# Altium PCB ESP32-1-PCB-Layout.PcbDoc
Units mil, origin at the board's own origin, x right, y up, seen from the top; angles counter-clockwise.
Board outline 3775 x 4000 mil, 2 copper layers (Top Layer, Bottom Layer), stack 61.811 mil thick; 34 components, 32 nets, 142 pads, 17 vias.
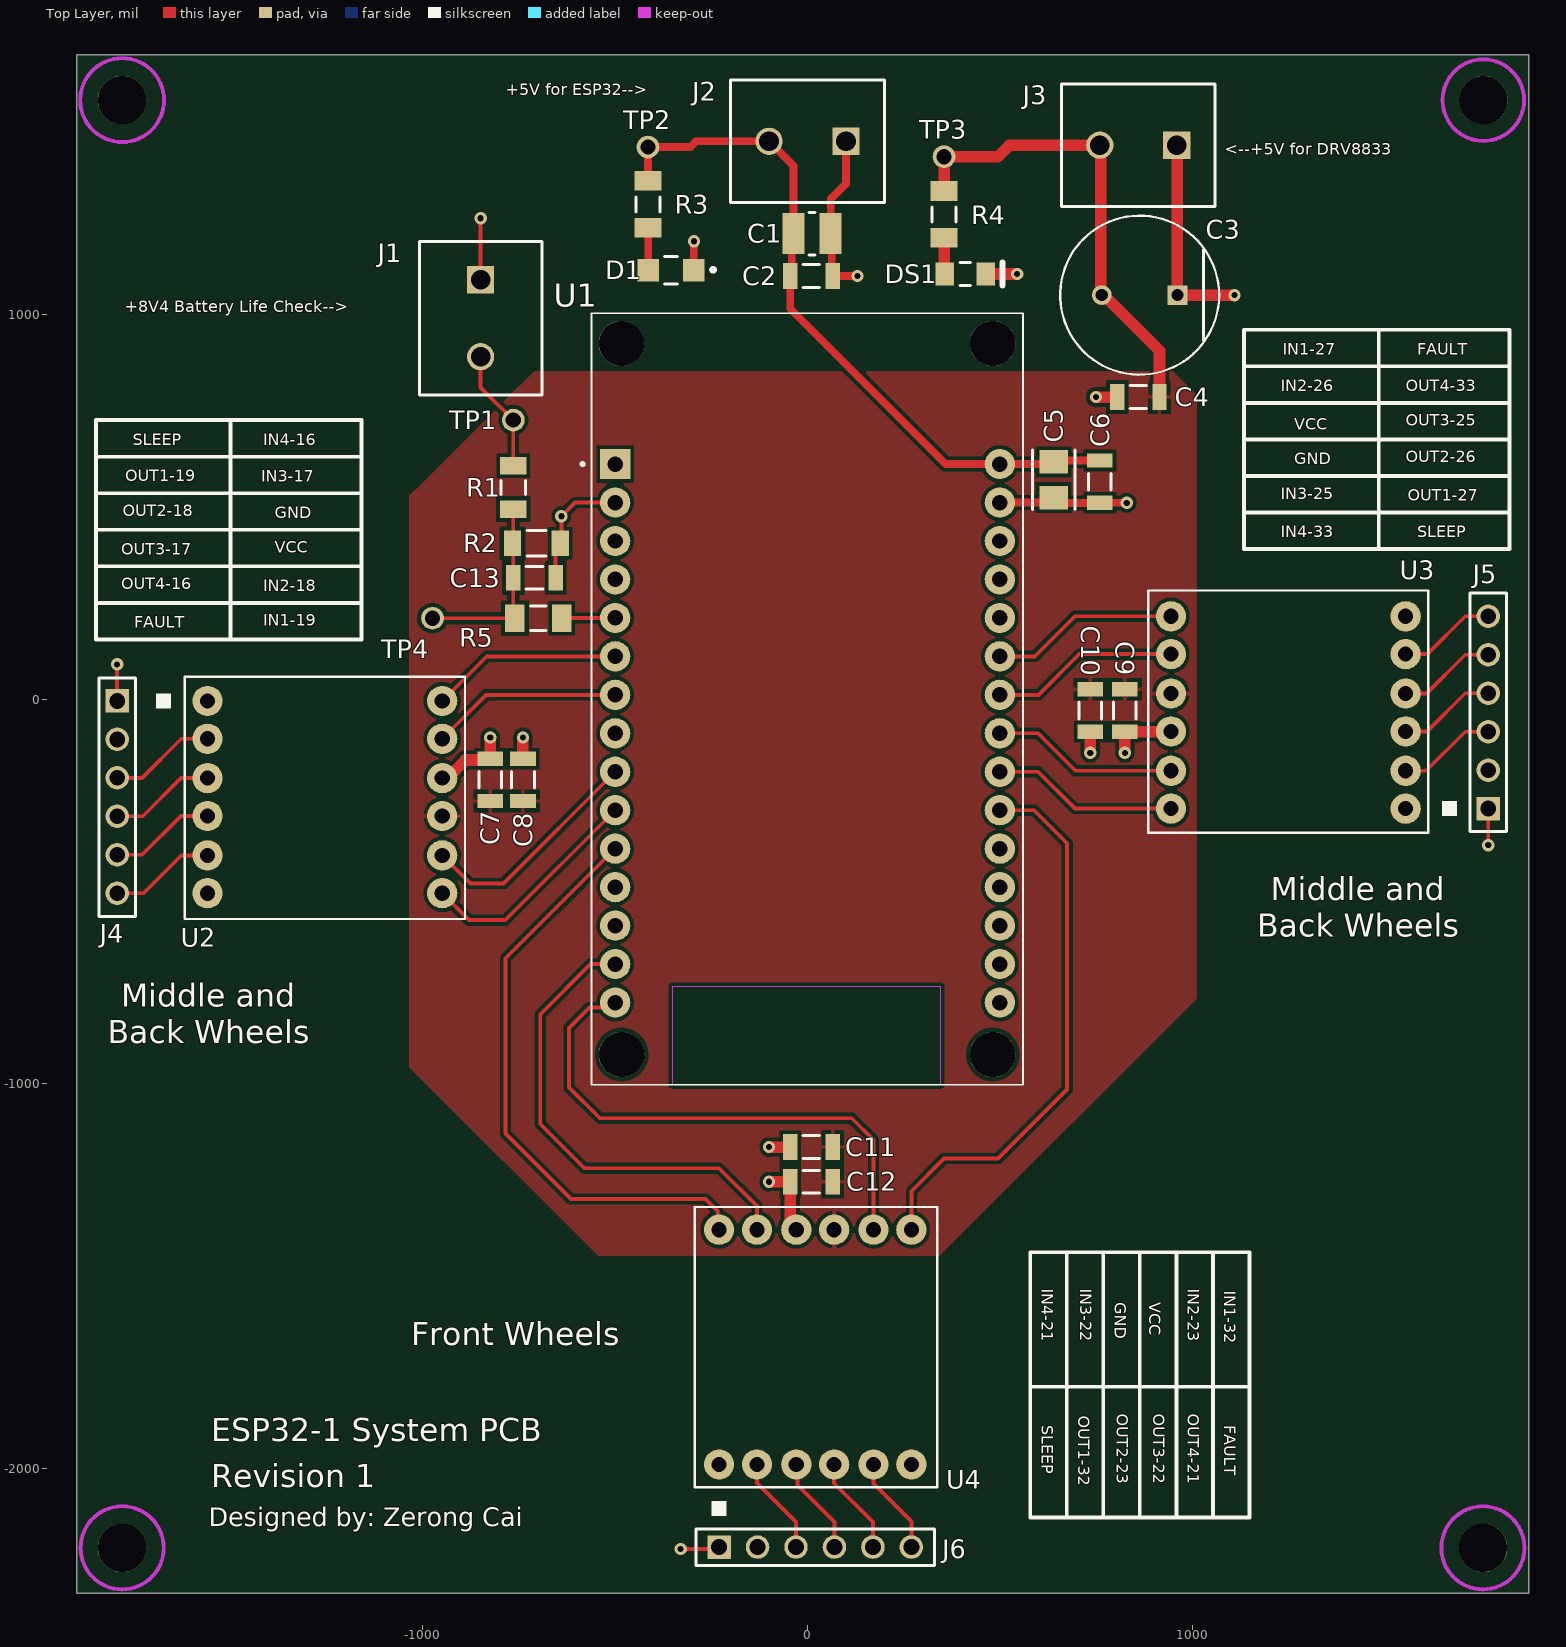
[diagram p0: Top Layer view]
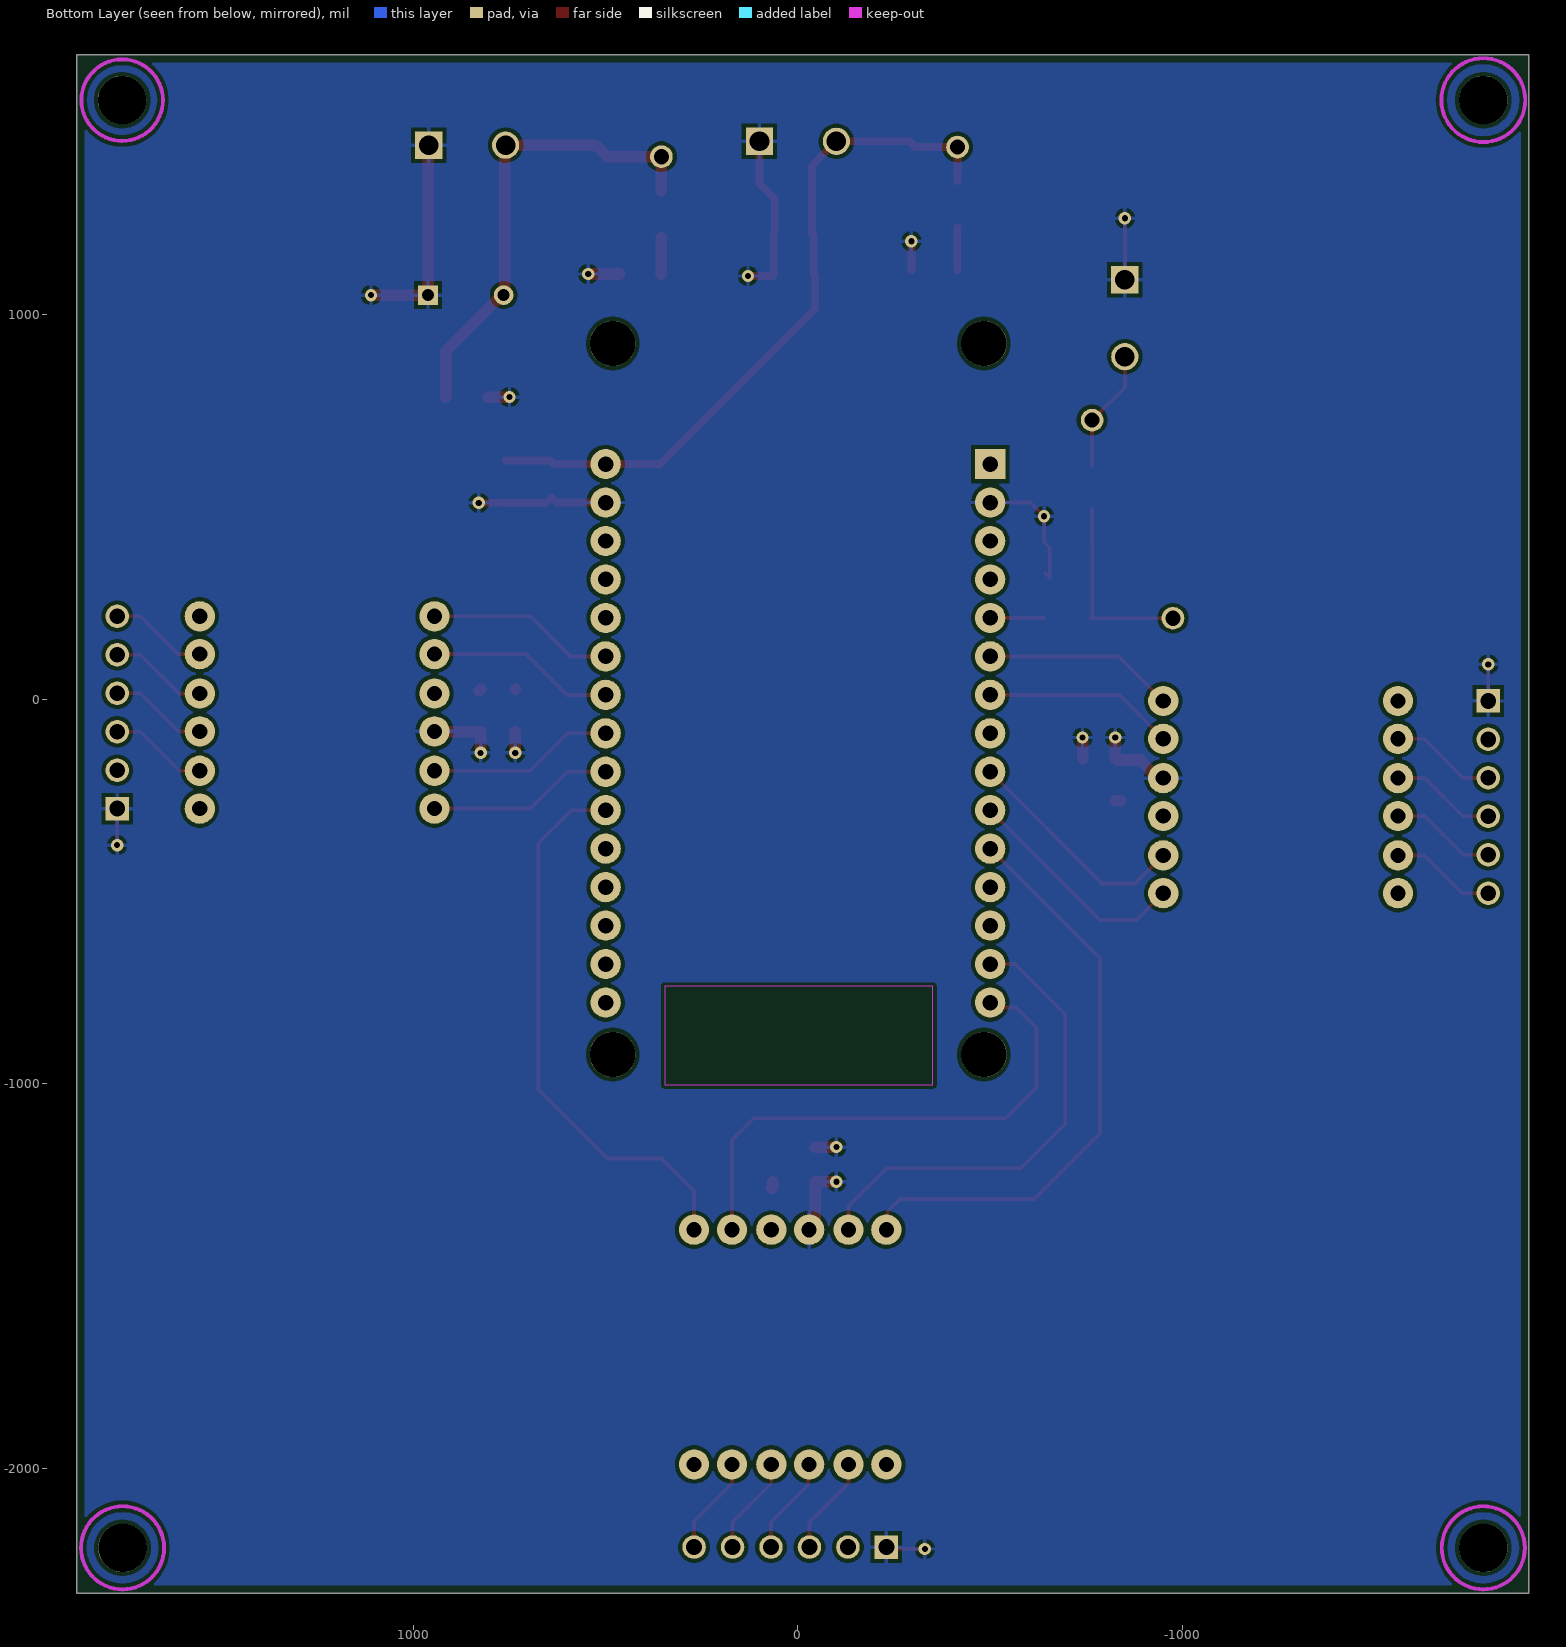
[diagram p1: Bottom Layer view, seen from below]

## Layer stack, top to bottom
Top Solder: solder mask 0.3937, Solder Resist, Dk 3.5
Top Layer: signal copper 1.378
Dielectric 1: dielectric 59.0551, FR-4, Dk 4.8
Bottom Layer: signal copper 1.378
Bottom Solder: solder mask 0.3937, Solder Resist, Dk 3.5

## Board outline
-1900,-2325 -1900,1675 1875,1675 1875,-2325

## Design rules (kind name [scope] priority, off if disabled: settings)
BoardOutlineClearance [All] p1: gap=20 ignorepadtopadclearanceinfootprint=FALSE except(0: Arc-SplitContinuation Track-SplitContinuation SMDPad-SplitContinuation THPad-SplitContinuation Via-SplitContinuation Fill-SplitContinuation Poly-SplitContinuation Region-SplitContinuation Text-SplitContinuation)
Clearance [All] p1: gap=10 ignorepadtopadclearanceinfootprint=FALSE except(0: Arc-Hole Track-Hole SMDPad-Hole THPad-Hole Via-Hole Fill-Hole Poly-Hole Region-Hole Text-Hole; 4: Arc-Arc Arc-Track Track-Track)
HoleSize [All] p1: absolutevalues=TRUE maxlimit=200 minlimit=1 maxpercent=80.000 minpercent=20.000
PolygonConnect [All] p1: connectstyle=Relief reliefconductorwidth=10 reliefentries=4 polygonreliefangle="90 Angle" airgapwidth=10
RoutingVias [All] p1: holewidth=12 width=24 viastyle="Through Hole" minholewidth=12 minwidth=24 maxholewidth=16 maxwidth=32
SilkToSolderMaskClearance [IsPad] p1: minsilkscreentomaskgap=5 clearancetoexposedcopper=TRUE
SolderMaskExpansion [All] p1: expansion=4 istentingtop=FALSE
Width [All] p1: maxlimit=100 minlimit=10 preferedwidth=10
28 further rules are at their usual default settings.

## Classes and differential pairs
component class Output-Connectors: J4 J5 J6
component class Input-Connectors: C1 C2 C3 C4 D1 DS1 J1 J2 J3 R1 R2 R3 R4 TP1 TP2 TP3
component class ESP32-1-System: C5 C6 C7 C8 C9 C10 C11 C12 C13 R5 U1 U3 U4

## Components (designator, comment, footprint, x,y, rotation, side; value= is the part's Value field where it differs from the comment)
C1 "47uF" FP-CL32-IPC_C 11.76,1210 r0 top
C2 "100nF" CAPC1206(3216)170_L 10,1100 r180 top
C3 "470u" FP-RAD-TH-D_10_0_5-L_12_5-MFG 863.43,1050 r180 top
C4 "100nF" CAPC1206(3216)170_L 860,785 r0 top
C5 "10uF" FP-GCJ31C-0_4-IPC_C 640,570 r270 top
C6 "100nF" CAPC1206(3216)170_L 760,564.88 r90 top
C7 "100nF" CAPC1206(3216)170_L -825,-210 r270 top
C8 "1uF" CAPC1206(3216)170_L -740,-210 r270 top
C9 "100nF" CAPC1206(3216)170_L 825,-29.88 r90 top
C10 "1uF" CAPC1206(3216)170_L 735,-30 r90 top
C11 "100nF" CAPC1206(3216)170_L 10,-1165 r0 top
C12 "1uF" CAPC1206(3216)170_L 10,-1255 r0 top
C13 "100nF" CAPC1206(3216)170_L -710,315 r180 top
D1 "598-8270-107F" FP-598-8270-107F-MFG -355,1115 r180 top
DS1 "SML-LX1206IC-TR" LUMX-SML-LX1206IC_V 410,1105 r0 top
J1 "1729128" PHOE-1729128-2_V -850,990 r270 top
J2 "1729128" PHOE-1729128-2_V 0,1450 r180 top
J3 "1729128" PHOE-1729128-2_V 860,1440 r180 top
J4 "SSW-106-02-T-S" SMTC-SSW-106-02-X-S -1795,-5 r270 top
J5 "SSW-106-02-T-S" SMTC-SSW-106-02-X-S 1770,-285 r90 top
J6 "SSW-106-02-T-S" SMTC-SSW-106-02-X-S -230,-2205 r0 top
R1 "180k" FP-CRCW1206-e3-IPC_B -765,550 r270 top
R2 "100k" FP-RP732B-MFG -705,405 r0 top value=100KΩ
R3 "1k" RESC3216X60X45ML10T20 -415,1286.02 r270 top
R4 "1k" RESC3216X60X45ML10T20 355,1260 r270 top
R5 "1k" RESC3216X60X45ML10T20 -700,210 r0 top
TP1 "Test Point" "Test Point" -765,725 r0 top
TP2 "Test Point" "Test Point" -415,1435 r90 top
TP3 "Test Point" "Test Point" 355,1410 r0 top
TP4 "Test Point" "Test Point" -975,210 r90 top
U1 "ESP32-DEVKIT-V1" MODULE_ESP32_DEVKIT_V1 0,0 r0 top
U2 "DRV8833" PCBComponent_1 -1255,-255 r0 top
U3 "DRV8833" PCBComponent_1 1250,-35 r180 top
U4 "DRV8833" PCBComponent_1 20,-1685 r90 top

## Footprints (in the part's own frame and the unit in brackets; to place one, negate y for a bottom-side part, rotate by r counter-clockwise, add the part's x,y. Pads: shape width x height; smd on the part's side, far side on the other; paste and mask are expansions set on the pad)
CAPC1206(3216)170_L [mm] "Chip Capacitor, Body 3.2x1.6mm, Height 1.7mm, IPC High Density"
  rect 0.95x1.7 smd: 1(-1.4,0) 2(1.4,0)
  silkscreen extent -0.55,-0.75 0.55,0.75, body extent -1.7,-0.9 1.7,0.9, height 1.7
FP-598-8270-107F-MFG [mm]
  rect 1.4x1.5 smd paste+0 mask+0: 1(-1.5,0) 2(1.5,0)
  silkscreen extent -2.9,-0.9 0.43,0.9, body extent -2.3,-1 2.3,1, height 0.25
FP-CL32-IPC_C [mil]
  rect 57.19x106.46 smd paste+0 mask+0: 1(-48.24,0) 2(48.24,0)
  silkscreen extent -8,-55 8,55, body extent -81,-59 81,59, height 10
FP-CRCW1206-e3-IPC_B [mil]
  rect 45.51x69.22 smd paste+0 mask+0: 1(-56.14,0) 2(56.14,0)
  silkscreen extent -19,-31 19,31, body extent -89,-44 89,44, height 10
FP-GCJ31C-0_4-IPC_C [mil]
  rect 61.12x74.93 smd paste+0 mask+0: 1(-46.27,0) 2(46.27,0)
  silkscreen extent -77,-55 77,55, body extent -81,-43 81,43, height 10
FP-RAD-TH-D_10_0_5-L_12_5-MFG [mm]
  rect 1.3x1.3 hole 0.8 paste-1000 mask+0: 1(-2.5,0)
  round 1.3 hole 0.8 paste-1000 mask+0: 2(2.5,0)
  silkscreen extent -5.25,-5.25 5.25,5.25, body extent -5.35,-5.35 5.35,5.35, height 0.25
FP-RP732B-MFG [mm]
  rect 1.15x1.7 smd paste+0 mask+0: 1(-1.575,0) 2(1.575,0)
  silkscreen extent -0.63,-0.85 0.63,0.85, body extent -2.25,-0.95 2.25,0.95, height 0.25
LUMX-SML-LX1206IC_V [mm] "SMD, 2-Leads, Body 3.2x1.5mm"
  rect 1.2x1.5 smd: 1(-1.35,0) 2(1.35,0)
  silkscreen extent -0.35,-0.75 2.45,0.75, body extent -1.6,-0.8 1.6,0.8, height 1.1
MODULE_ESP32_DEVKIT_V1 [mm]
  rect 2x2 / inner round 2 / far side rect 2x2 hole 1.02: 1(-12.7,15.515)
  round 2 hole 1.02: 2(-12.7,12.975) 3(-12.7,10.435) 4(-12.7,7.895) 5(-12.7,5.355) 6(-12.7,2.815) 7(-12.7,0.275) 8(-12.7,-2.265) 9(-12.7,-4.805) 10(-12.7,-7.345) 11(-12.7,-9.885) 12(-12.7,-12.425) 13(-12.7,-14.965) 14(-12.7,-17.505) 15(-12.7,-20.045) 16(12.7,-20.045) 17(12.7,-17.505) 18(12.7,-14.965) 19(12.7,-12.425) 20(12.7,-9.885) 21(12.7,-7.345) 22(12.7,-4.805) 23(12.7,-2.265) 24(12.7,0.275) 25(12.7,2.815) 26(12.7,5.355) 27(12.7,7.895) 28(12.7,10.435) 29(12.7,12.975) 30(12.7,15.515)
  round 3 hole 3 unplated: ""(-12.28,-23.475) ""(-12.28,23.475) ""(12.23,-23.475) ""(12.23,23.475)
  Keep-Out Layer region: 8.78,-25.475 -8.91,-25.475 -8.91,-18.985 8.78,-18.985
  Keep-Out Layer region: 8.78,-25.475 -8.91,-25.475 -8.91,-18.985 8.78,-18.985
  silkscreen extent -14.95,-25.48 14.23,25.48, body extent -14.1,-25.9 14.1,26.55, height 7.05
PCBComponent_1 [mm]
  round 2 hole 1: 1(-7.75,6.35) 2(-7.75,3.85) 3(-7.75,1.25) 4(-7.75,-1.25) 5(-7.75,-3.85) 6(-7.75,-6.35) 7(7.75,-6.35) 8(7.75,-3.85) 9(7.75,-1.25) 10(7.75,1.25) 11(7.75,3.85) 12(7.75,6.35)
  silkscreen extent -11.15,-8.05 9.25,7.95
PHOE-1729128-2_V [mm] "Receptacle, 2-Leads, Body 8.1x10.16mm, Pitch 5.08mm"
  rect 1.8x1.8 hole 1.3: 1(-2.54,0)
  round 1.8 hole 1.3: 2(2.54,0)
  silkscreen extent -5.08,-4.05 5.08,4.05, body extent -5.65,-4.05 5.08,4.05, height 10.01
RESC3216X60X45ML10T20 [mm] "Chip Resistor, 2-Leads, Body 3.20x1.60mm, IPC Low Density"
  rect 1.3x1.8 smd: 1(-1.55,0) 2(1.55,0)
  silkscreen extent -0.5,-0.8 0.5,0.8, body extent -1.65,-0.85 1.65,0.85, height 0.6
SMTC-SSW-106-02-X-S [mm] "SQ Post Socket, 1x6 Pins, Vertical, 2.54mm Pitch, Female"
  rect 1.55x1.55 hole 1.04: 1(0,0)
  round 1.55 hole 1.04: 2(2.54,0) 3(5.08,0) 4(7.62,0) 5(10.16,0) 6(12.7,0)
  silkscreen extent -1.53,-1.2 14.23,1.2, body extent -1.52,-1.21 14.22,1.21, height 8.51
"Test Point" [mm] "Test Point"
  round 1.5 hole 1: 1(0,0)

## Part data
C1: library part CMP-13271-000441-1, "Cap Ceramic 47uF 16V X5R ±20% SMD 1210 +85°C Embossed T/R; CL32A476MOJNNWE"
C2 C4 C6 C7 C9 C11 C13: library part CMP-1037-04201-1, "CAP 100nF 50V ±10% 1206 (3216 Metric) Thickness 1.7mm SMD", Case-EIA=1206, Case-Metric=3216, Rated Voltage="50 V", Tolerance=Â±10%, Max Thickness="1.7 mm", Technology=SMT
C3: library part CMP-05427-001980-1, "Aluminum Electrolytic Capacitors (Radial Lead Type) 470uF ±20% 16V", Capacitance=470uF, Case/Package=Radial, ESR (Equivalent Series Resistance)=38mR, Max Operating Temperature=105°C, Min Operating Temperature=-40°C, Package Quantity=500, Ripple Current=1.29A, Tolerance=20%, Voltage Rating=16V, Diameter=10mm, Height=12.5mm, Height - Seated (Max)=0.551inch, Impedance=38mR, Lead Diameter=0.6mm, Lead Free="Lead Free", Lead Pitch=5mm, Length=12.5mm, Life (Hours)=4000Hour, Mount="Through Hole", Packaging="Tape and Reel", Radiation Hardening=No, RoHS Compliant=Yes, Series=FM, Termination=Radial, Voltage Rating (DC)=16V
C5: library part CMP-06035-004889-1, "Cap Ceramic 10uF 35V X7T 10% SMD 1206 +125°C Embossed Plastic T/R"
C8 C10 C12: library part CMP-1037-04687-1, "CAP 1uF 16V ±10% 1206 (3216 Metric) Thickness 1.7mm SMD", Case-EIA=1206, Case-Metric=3216, Rated Voltage="16 V", Tolerance=Â±10%, Max Thickness="1.7 mm", Technology=SMT
D1: library part CMP-15384-000006-1, "SM LED 1206 ALINGAP G 7 REEL", Case Code (Imperial)=1206, Case Code (Metric)=3216, Color=Green, Forward Current=20mA, Forward Voltage=2V, Lens Color=Colorless, Max Operating Temperature=85°C, Min Operating Temperature=-30°C, Package Quantity=3000, Power Dissipation=60mW, Reverse Voltage=5V, Case/Package=1206, Depth=1.6mm, Dominant Wavelength=570nm, Height=0.7mm, Illumination Color=Green, Lead Free="Lead Free", Length=3.2mm, Lens Size=1.6mm, Lens Style=Flat, Lens Transparency=Clear, Luminous Intensity=20mcd, Mount="Surface Mount", Number of Elements=1, Number of LEDs=1, Number of Pins=2, Packaging="Tape and Reel", Radiation Hardening=No, REACH SVHC="No SVHC", RoHS Compliant=Yes, Series=598, Test Current=20mA, Viewing Angle=140°, Wavelength=570nm, Width=1.6mm
DS1: library part CMP-2000-07123-1, "LED Red, 65 mW, -40 to 85 degC, 2-Pin SMD, RoHS, Tape and Reel", Color=Red, Manufacturer=Lumex, Operating Temperature=-25to85C, Package Description="2-Pin Surface Mount Device, Body 3.2 x 1.5 mm", Package Reference=SML-LX1206IC, Reverse Voltage=5(Min)V, Supplier_Package=SMD, Datasheet URL=http://www.lumex.com/content/files/ProductAttachment/SML-LX1206IC-TR.pdf, Datasheet Version="Rev. J, 08/2012", Dimension=3.2x1.6x1.1mm, Dominant Wavelength=N/A, ECCN=EAR99, Family=SML-LX1206IC, HTS=8541402000, Intensity=6mcd, LED Material=GaAsP, Lens Appearance=ColorlessNonDiffused, Lens Dimensions=2x1.6x0.5mm, Manufacturer URL=http://www.lumexinstruments.com/, Mounting=SurfaceMount, Mounting Technology=SurfaceMount, Number of LEDs=1, Packaging=TapeandReel, Part No=SML-LX1206IC-TR, Peak Wavelength=635nm, Pin_Count=2, RoHS=Unknown, Supplier=Lumex, Supplier Standard Pack=3,000, Type=Uni-Color, Viewing Angle=160
J1 J2 J3: library part CMP-2000-05815-1, "PCB Terminal Block, 13.5 A, 400 V, 2-Pin THD, RoHS, Bulk", Current Rating=13500mA, Manufacturer="Phoenix Contact", Package Description="2-Pin Through Hole Device, Body 8.1 x 10.16 mm, Pitch 5.08 mm", Package Reference=1729128-2, Package Version=03/2015, Voltage Rating=400V, Datasheet URL=https://datasheet.ciiva.com/16046/1729128-16046181.pdf, Datasheet Version=12/2013, Manufacturer URL=http://www.phoenixcontact.com/, Mounting Technology=ThroughHole, No. of Positions=2, No. of Rows=1, Orientation=Horizontal, Package URL=https://www.phoenixcontact.com/online/portal/pi/pxc/product_detail_page/!ut/p/b1/3VdJjqNKFDxLH8AFycySyWY2ozFsEPOMMQaDOX1XedGL_1Vdm5YXJleknhSKeBkvI6EA8ncAo3AYoDhBQGco6KN7VURTdemj9us_IEKEZo_YHiPAEWEFmDGOHMORkqKYCORBZxgL7ZoaZYcbFFUZ3fqxSY6GOuxydWUuHqz1ynmMFygu583Bob0Ewr6Sd_l-5m-kAueHiB0jpRwZwe58wwtkpxtMYd_LmGcDRU02dRNEyWt6Y2ti5pSyJ_reIkzIulrqApdnbT11V5jnCKbYNCvhEM1MCpPByat_X379-iThf08CI5GfOPqfBeS3BRoBOdD55AKVv0iLwCMq-2BrzXWSGRH7pUGD9uwXQjiph3xL0DKQwdGa0JImiIOmBNOestqgwTHSSs2oOep-78apyXQBvNi8ZLaFjvjWvcaUEBu0MC6Wbe-d6mB0FAebo2lUWinqYaZs5DAYzV0RP9yitUjnGJ0iI9xhZkT42OCQNUJJhkgWINNQLP2JFP6OpMg3JCVg70jqHT0lvKOnhHf0lPuOnnLf0VPuWx6_dxwUIvwk5WMkT0kLL1mh61l2yZVSzG3pYV_bqo-mj6uMKwKwdnnW8Jh5RTOJzMOA5c-eJDaZQw4mTMPH02PvS_ZAqNVjVTo2WyYLkwH_KU1mmmG5kjRhDqPXLwwVHvVOjCM60-fpXvTDfMGW1PVFVS1r4e4yVDk4ZdNbkUHvqPqQSeian4UD39fNKmachqdJ1NJbyk8rXT9mXTvPk3oE5meulKGgiruPJek-4I9hTT6G8ZLOyRSm2RRVbThERQad5OS28hdt4YW4vG0stgYYzsWsK4_7y6DZMjJSCqri1kyiZR5vD7pwIrNR7QwPHTcLTI5qT7eRlpHrdGiupYlqQDJ7zy_CND8fWWBoLRXxk1RVcXiBQwbTD4Xi7KL-FuO94t9xaqweXzH, Packing=Bulk, PartNumber=1729128, Pitch=5.08mm, RoHS=TRUE
J4 J5 J6: library part CMP-1023-00360-1, "SQ Post Socket, Through-hole, Vertical, -55 to 105 degC, 2.54mm Pitch, 6-Pin, Female, RoHS", Manufacturer=Samtec, Temperature Range="-55 to 105 degC", ComponentLink1Description="Manufacturer URL", ComponentLink1URL=http://www.samtec.com, ComponentLink2Description=Datasheet, ComponentLink2URL=http://www.samtec.com/documents/webfiles/pdf/SSW_TH.PDF, ComponentLink3Description="Package Specification", ComponentLink3URL=http://www.samtec.com/documents/webfiles/cpdf/SSW-1XX-XX-XXX-X-XX-XXX-XX-MKT.pdf, DatasheetVersion=F-214, Mounting Technology=Through-hole, Orientation=Vertical, PackageDescription="Assembly, Socket Strip .016 X .031 Tail", PackageReference=SSW-106-02-X-S, PackageVersion="CA, 6/1987", PartNumber=SSW-106-02-T-S, Pitch="2.54 mm", RoHS=True
R1: library part CMP-2003-01847-2, "RES Thick Film, 180kΩ, 5%, 0.25W, 200ppm/°C, 1206", Case Code (Imperial)=1206, Case Code (Metric)=3216, Max Operating Temperature=155°C, Max Power Dissipation=250mW, Min Operating Temperature=-55°C, Package Quantity=1, Resistance=180kR, Temperature Coefficient=200ppm/°C, Tolerance=5%, Voltage Rating=200V, Case/Package=1206, Composition="Thick Film", Contact Plating=Tin, Depth=1.6mm, Features="Automotive AEC-Q200", Height=0.024inch, Lead Free="Lead Free", Length=3.2mm, Military Standard=Not, Mount="Surface Mount", Number of Terminations=2, Packaging="Tape and Reel", Power Rating=250mW, Radiation Hardening=No, Termination=SMD/SMT, Voltage Rating (DC)=200V, Weight=0.000353oz, Width=0.063inch
R2: library part CMP-03211-007900-1, "Res Thin Film 1206 100KΩ 0.1% 0.25W 15ppm/°C Molded SMD", Manufacturer="TE Connectivity", Manufacturer Part Number=RP73D2B100KBTG, Package=RP732B, Power Rating=0.25W, Resistance=100KΩ, Temperature="-55°C to 155°C", Temperature Coefficient=15ppm/°C, Temperature Range High=155°C, Temperature Range Low=-55°C, Tolerance=0.1%, Voltage Rating=200V, Automotive=No, Category=Res, ComponentLink2Description=Datasheet, ComponentLink2URL=https://www.te.com/commerce/DocumentDelivery/DDEController?Action=showdoc&DocId=Data+Sheet%7F1773272%7FL%7Fpdf%7FEnglish%7FENG_DS_1773272_L.pdf%7F8-1879255-6, Composition="Thin Film", Device Class L1="Passive Components", Device Class L2=Resistors, Device Class L3="Chip SMD Resistors", Height=0.65mm, Ipc Land Pattern Name=RESC305155X55, Lead Free=Yes, Octopart=https://octopart.com/rp73d2b100kbtg-te+connectivity-42012337, octopart_url=https://octopart.com/rp73d2b100kbtg-te+connectivity-42012337, Packaging="250 cut tape length", RoHS=TRUE, Series=RP73
R3 R4 R5: library part CMP-2003-01869-1, Manufacturer="Vishay Dale", Part Number=CRCW12061K00JNTA
TP1 TP2 TP3 TP4: library part CMP-00030-00006-7
U1: library part CMP-008-000000-1, "Dual core, Wi-Fi: 2.4 GHz up to 150 Mbits/s,BLE (Bluetooth Low Energy) and legacy Bluetooth, 32 bits, Up to 240 MHz", Package=None, Check_prices=https://www.snapeda.com/parts/ESP32-DEVKIT-V1/Do+it/view-part/?ref=eda, Component Type=Standard, Design Item ID=ESP32-DEVKIT-V1, MF="Do it", MP=ESP32-DEVKIT-V1, Pin Count=30, SnapEDA_Link=https://www.snapeda.com/parts/ESP32-DEVKIT-V1/Do+it/view-part/?ref=snap, Source=ESP32-DEVKIT-V1.SchLib
U2 U3 U4: "1.5A 2-Channel DC Motor Drive Board Ultra Small Volume Motor Drive Module Input Voltage 3 to 10V"

## Free pads (board coordinates)
  round 125.98 hole 125.98 unplated: MH1(-1782,1557) MH2(1757,1557) MH3(-1782,-2207) MH4(1756,-2207)

## Via types
v1: diameter 32, hole 16, Top Layer to Bottom Layer, 17 vias

## Nets (pads, with @x,y where several pads share a name; then routed paths per layer and width w, separated by ;. In a path a pad name is that pad's centre, name@x,y a point inside that pad or via, vN(x,y) a via of type N, cw(c..) or ccw(c..) an arc to the next point about the centre after c; other vN are vias at no path point)
+5V_ESP32: C1.1 C2.2 C5.1 C6.2 J2.2 R3.1 TP2.1 U1.30 | length 1850.3
  Top Layer w10: C5.1@635.41,611.68 C5.1
  Top Layer w20: R3.1 TP2.1 -305,1435 -290,1450 J2.2 -36.48,1386.48 C1.1 -40.8,1205.68 -40.8,1104.32 C2.2 -45.12,1015.12 359.17,610.83 U1.30 634.56,610.83 C5.1@635.41,611.68 ; C5.1 643.73,620 C6.2
+5V_MOTORS: C3.2 C4.2 C7.2 C8.2 C9.2 C10.2 C11.2 C12.2 J3.2 R4.1 TP3.1 U2.9 U3.9 U4.9 | length 1316.8
  Top Layer w30: U2.9@-957.38,-311.71 U2.9 U2.9@-940.56,-294.89 ; C7.2@-839.76,-265.12 C7.2 ; U4.9@67.17,-1377.83 U4.9 ; C12.2@67.17,-1257.05 C12.2 65.12,-1269.76 C12.2@69.21,-1273.86 ; R4.1 TP3.1 495,1410 525,1440 J3.2 762.5,1437.5 762.5,1052.5 C3.2 765,1042.57 768.37,1045.95 774.78,1045.95 915.12,905.61 C4.2 ; C10.2 C10.2@735.06,25.18 ; C9.2@824.94,25.18 C9.2 C9.2@828.7,21.54 ; U3.9@937.56,21.54 U3.9
+8V4: J1.2 R1.1 TP1.1 | length 319.1
  Top Layer w10: J1.2 -850,810 TP1.1 R1.1
BATT_LIFE: C13.2 R1.2 R2.1 R5.1 TP4.1 | length 506.2
  Top Layer w10: TP4.1@-975,215.02 TP4.1 R5.1 -765.12,214.09 C13.2 -765.12,403.11 R2.1 -765,407.01 R1.2
GND: C1.2 C2.1 C3.1 C4.1 C5.2 C6.1 C7.1 C8.1 C9.1 C10.1 C11.1 C12.1 C13.1 D1.1 DS1.2 J1.1 J2.1 J3.1 J4.1 J5.1 J6.1 R2.2 U1.2 U1.29 U2.10 U3.10 U4.10 | length 3049.9
  Top Layer w10: v1(-1795,90) J4.1 J4.1@-1790,0 ; J1.1 v1(-850,1250) ; C13.1@-642.99,326.89 C13.1 -654.88,393.11 R2.2 -640,407.99 v1(-640,475) -604.17,510.83 U1.2 ; v1(-330,-2210) -235,-2210 J6.1 ; v1(1770,-380) J5.1
  Top Layer w20: D1.1 -295.47,1115.47 -295.47,1189.53 v1(-295,1190) ; J2.1 100,1340 60,1300 C1.2 62.56,1207.44 62.56,1102.56 C2.1 v1(130,1100) ; U1.29 627.1,510.83 C5.2 653.97,509.76 C6.1 760.12,509.88 829.88,509.88 v1(830,510)
  Top Layer w30: U2.10 -936.69,-205.79 -889.49,-158.58 -828.7,-158.58 C7.1 v1(-825,-100) ; C8.1 v1(-740,-100) ; v1(-100,-1255) C12.1 -45,-1255.12 -45,-1364.09 U4.10 ; v1(-100,-1165) C11.1 ; DS1.2 v1(545,1105) ; v1(735,-140) C10.1 ; v1(750,785) C4.1 ; v1(825,-140) C9.1 825.39,-84.61 944.49,-84.61 U3.10 ; J3.1 960.93,1439.07 960.93,1050.93 C3.1 v1(1110,1050)
IN1_19: U1.10 U2.7 | length 597.3
  Top Layer w10: U2.7 -879.88,-575 -785.83,-575 U1.10
IN1_27: U1.25 U3.7 | length 488
  Top Layer w10: U1.25 590.83,110.83 695,215 U3.7
IN1_32: U1.21 U4.7 | length 1465.2
  Top Layer w10: U4.7 270,-1280 355,-1195 495,-1195 675,-1015 675,-375 589.17,-289.17 U1.21
IN2_18: U1.9 U2.8 | length 600.8
  Top Layer w10: U2.8 -876.46,-480 -790.83,-480 U1.9
IN2_23: U1.15 U4.8 | length 1383.7
  Top Layer w10: U1.15 -513.15,-802.33 -567.33,-802.33 -620,-855 -620,-1010 -540,-1090 115,-1090 171.57,-1146.57 U4.8
IN2_26: U1.24 U3.8 | length 488.7
  Top Layer w10: U1.24 600.83,10.83 706.57,116.57 U3.8
IN3_17: U1.7 U2.11 | length 497.2
  Top Layer w10: U2.11 -835.63,10.83 U1.7
IN3_22: U1.14 U4.11 | length 1247.5
  Top Layer w10: U1.14 -564.17,-689.17 -695,-820 -695,-1105 -580,-1220 -230,-1220 -131.57,-1318.42 U4.11
IN3_25: U1.23 U3.11 | length 485.2
  Top Layer w10: U1.23 599.17,-89.17 696.57,-186.57 U3.11
IN4_16: U1.6 U2.12 | length 497.9
  Top Layer w10: U2.12 -834.06,110.83 U1.6
IN4_21: U1.11 U4.12 | length 1543.7
  Top Layer w10: U1.11 -785,-674.17 -785,-1130 -615,-1300 -265,-1300 -233.63,-1331.37 -233.63,-1376.25 U4.12
IN4_33: U1.22 U3.12 | length 484.6
  Top Layer w10: U1.22 599.17,-189.17 695,-285 U3.12
NetD1_2: D1.2 R3.2 | length 111.7
  Top Layer w10: D1.2@-415,1115.94 D1.2
  Top Layer w20: R3.2 -414.06,1224.06 D1.2
NetDS1_1: DS1.1 R4.2 | length 94.7
  Top Layer w30: R4.2 355.93,1198.05 355.93,1105.93 DS1.1
NetR5_2: R5.2 U1.5 | length 139.3
  Top Layer w10: R5.2 -638.15,210.83 U1.5
OUT1_19: J4.3 U2.2 | length 277
  Top Layer w10: J4.3 -1730,-205 -1628.43,-103.43 U2.2
OUT1_27: J5.3 U3.2 | length 257
  Top Layer w10: U3.2 1608.43,-186.57 1710,-85 J5.3
OUT1_32: J6.3 U4.2 | length 257
  Top Layer w10: U4.2 -131.37,-1990.32 -131.37,-2038.63 -30,-2140 J6.3
OUT2_18: J4.4 U2.3 | length 276
  Top Layer w10: J4.4 -1728.43,-305 -1629.21,-205.79 U2.3
OUT2_23: J6.4 U4.3 | length 256
  Top Layer w10: U4.3 -26.37,-1992.96 -26.37,-2043.63 70,-2140 J6.4
OUT2_26: J5.4 U3.3 | length 256
  Top Layer w10: U3.3 1610.79,-84.21 1710,15 J5.4
OUT3_17: J4.5 U2.4 | length 276.6
  Top Layer w10: J4.5 -1730,-405 -1629.21,-304.21 U2.4
OUT3_22: J6.5 U4.4 | length 256.6
  Top Layer w10: U4.4 69.21,-2039.21 170,-2140 J6.5
OUT3_25: J5.5 U3.4 | length 256.6
  Top Layer w10: U3.4 1609.21,14.21 1710,115 J5.5
OUT4_16: J4.6 U2.5 | length 275.7
  Top Layer w10: J4.6 -1726.85,-505 -1628.43,-406.57 U2.5
OUT4_21: J6.6 U4.5 | length 255.7
  Top Layer w10: U4.5 171.57,-2039.75 270,-2138.18 J6.6
OUT4_33: J5.6 U3.5 | length 255.7
  Top Layer w10: U3.5 1611.57,116.57 1710,215 J5.6
pads on no net: J4.2 J5.2 J6.2 U1. U1.1 U1.3 U1.4 U1.8 U1.12 U1.13 U1.16 U1.17 U1.18 U1.19 U1.20 U1.26 U1.27 U1.28 U2.1 U2.6 U3.1 U3.6 U4.1 U4.6

## Polygon pours and split planes (outlines as drawn)
GND on Bottom Layer "NONET_L-01_P-001" (solid, pour order 1): -1900,1675 -1900,-2325 1875,-2325 1875,1675
+5V_MOTORS on Top Layer "NONET_L-01_P-001" (solid, pour order 16): -711,852 950,852 1012,790 1012,-779 343,-1448 -544,-1448 -1035,-957 -1035,528

## Keep-outs
Keep-Out Layer:
  circle w10: c-1782,1557 r109
  circle w10: c-1782,-2207 r108
  circle w10: c1756,-2207 r108
  circle w10: c1757,1557 r106

## Silkscreen, mask and mechanical layers (free items; w line width, h text height)
Top Overlay:
  lines w10: -1850,250 -1160,250 ; -1850,345 -1160,345 ; -1850,440 -1160,440 ; -1850,535 -1160,535 ; -1850,630 -1160,630 ; -1505,155 ccw(c-1505,160) -1500,160 -1500,725 -1850,725 ; 578.91,-1783.26 ccw(c583.91,-1783.26) 583.91,-1788.26 1148.91,-1788.26 1148.91,-1438.26 ; 673.91,-2128.26 673.91,-1438.26 ; 768.91,-2128.26 768.91,-1438.26 ; 863.91,-2128.26 863.91,-1438.26 ; 958.91,-2128.26 958.91,-1438.26 ; 1053.91,-2128.26 1053.91,-1438.26 ; 1135,485 1825,485 ; 1135,580 1825,580 ; 1135,675 1825,675 ; 1135,770 1825,770 ; 1135,865 1825,865 ; 1480,390 ccw(c1480,395) 1485,395 1485,960 1135,960 ; -1850,725 -1850,155 -1160,155 -1160,725 -1850,725 ; 1135,960 1825,960 1825,390 1135,390 1135,960 ; 1148.91,-1438.26 578.91,-1438.26 578.91,-2128.26 1148.91,-2128.26 1148.91,-1438.26
  text "+5V for ESP32-->" at -785,1570 h30
  text "<--+5V for DRV8833" at 1085,1415 h30
  text "+8V4 Battery Life Check-->" at -1775,1005 h30
  text "IN1-27" at 1235,895 h30
  text "FAULT" at 1585,895 h30
  text "IN2-26" at 1230,800 h30
  text "OUT4-33" at 1555,800 h30
  text "OUT3-25" at 1555,710 h30
  text "VCC" at 1265,700 h30
  text "SLEEP" at -1755,660 h30
  text "IN4-16" at -1415,660 h30
  text "OUT2-26" at 1555,615 h30
  text "GND" at 1265,610 h30
  text "OUT1-19" at -1774.57,565.93 h30
  text "IN3-17" at -1420,565 h30
  text "IN3-25" at 1230,520 h30
  text "OUT1-27" at 1560,515 h30
  text "OUT2-18" at -1780,475 h30
  text "GND" at -1385,470 h30
  text "IN4-33" at 1230,420 h30
  text "SLEEP" at 1585,420 h30
  text "VCC" at -1385,380 h30
  text "OUT3-17" at -1785,375 h30
  text "OUT4-16" at -1785,285 h30
  text "IN2-18" at -1415,280 h30
  text "IN1-19" at -1415,190 h30
  text "FAULT" at -1750,185 h30
  text "Middle and" at 1204.86,-523.31 h60
  text "Back Wheels" at 1169.86,-618.31 h60
  text "Middle and" at -1785,-800 h60
  text "Back Wheels" at -1820,-895 h60
  text "IN4-21" at 608.91,-1533.26 h30 r270
  text "IN3-22" at 708.91,-1533.26 h30 r270
  text "IN2-23" at 988.91,-1533.26 h30 r270
  text "IN1-32" at 1083.91,-1538.26 h30 r270
  text "GND" at 798.91,-1568.26 h30 r270
  text "VCC" at 888.91,-1568.26 h30 r270
  text "Front Wheels" at -1030,-1680 h60
  text "OUT2-23" at 803.91,-1858.26 h30 r270
  text "OUT3-22" at 898.91,-1858.26 h30 r270
  text "OUT4-21" at 988.91,-1858.26 h30 r270
  text "OUT1-32" at 703.91,-1863.26 h30 r270
  text "SLEEP" at 608.91,-1888.26 h30 r270
  text "FAULT" at 1083.91,-1888.26 h30 r270
  text "ESP32-1 System PCB" at -1550,-1930.01 h60
  text "Revision 1" at -1550,-2050 h60
  text "Designed by: Zerong Cai" at -1557,-2151.01 h48
Mechanical 1:
  the board outline again, w10